# KiCad board first_keyboard.kicad_pcb (continued)
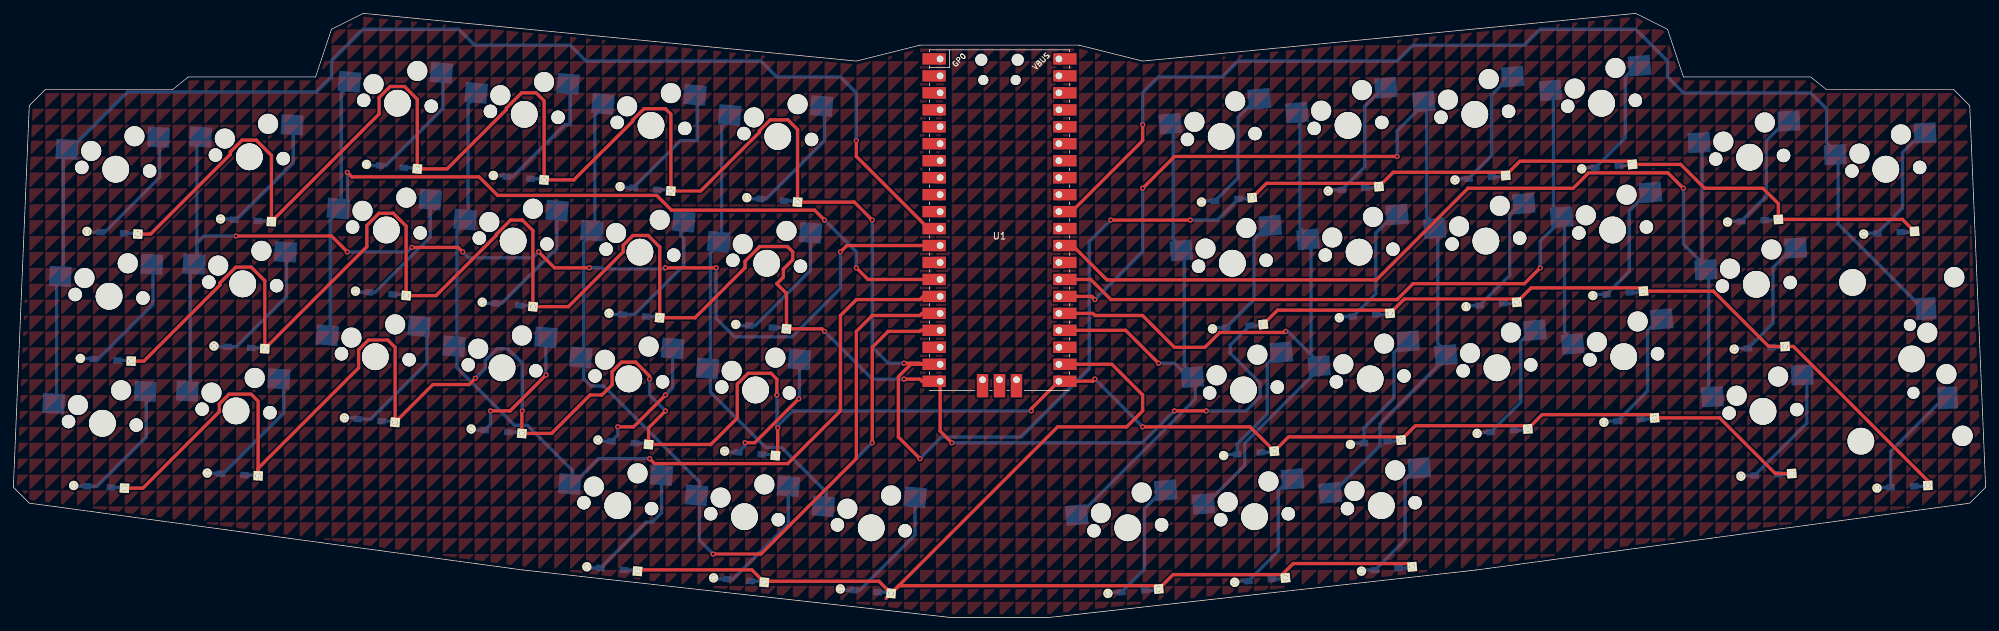
[diagram p0: board, top side]
## Copper pours and planes (outline as drawn; the poured copper is in the pictures) (continued)
(no net) on Top, Bottom: 285.75,150.02 285.75,147.64 288.13,150.02
(no net) on Top, Bottom: 280.99,26.19 280.99,23.81 283.37,26.19
(no net) on Top, Bottom: 52.39,-23.81 52.39,-26.19 54.77,-23.81
(no net) on Top, Bottom: 119.06,138.11 119.06,135.73 121.44,138.11
(no net) on Top, Bottom: 126.21,-16.67 126.21,-19.05 128.59,-16.67
(no net) on Top, Bottom: 190.5,130.97 190.5,128.59 192.88,130.97
(no net) on Top, Bottom: 223.84,45.24 223.84,42.86 226.22,45.24
(no net) on Top, Bottom: 214.31,116.68 214.31,114.3 216.69,116.68
(no net) on Top, Bottom: 202.41,130.97 202.41,128.59 204.79,130.97
(no net) on Top, Bottom: 28.58,19.05 28.58,16.67 30.96,19.05
(no net) on Top, Bottom: 30.96,21.43 30.96,19.05 33.34,21.43
(no net) on Top, Bottom: 269.08,-38.1 269.08,-40.48 271.46,-38.1
(no net) on Top, Bottom: 107.16,30.96 107.16,28.57 109.54,30.96
(no net) on Top, Bottom: 16.67,111.92 16.67,109.54 19.05,111.92
(no net) on Top, Bottom: 290.51,45.24 290.51,42.86 292.89,45.24
(no net) on Top, Bottom: 273.84,85.72 273.84,83.34 276.22,85.72
(no net) on Top, Bottom: 242.89,59.53 242.89,57.15 245.27,59.53
(no net) on Top, Bottom: 9.53,80.96 9.53,78.58 11.91,80.96
(no net) on Top, Bottom: 135.73,30.96 135.73,28.57 138.11,30.96
(no net) on Top, Bottom: 116.68,-21.43 116.68,-23.81 119.06,-21.43
(no net) on Top, Bottom: 69.06,33.34 69.06,30.96 71.44,33.34
(no net) on Top, Bottom: 176.21,114.3 176.21,111.92 178.59,114.3
(no net) on Top, Bottom: 135.73,83.34 135.73,80.96 138.11,83.34
(no net) on Top, Bottom: 152.4,97.63 152.4,95.25 154.78,97.63
(no net) on Top, Bottom: 78.58,80.96 78.58,78.58 80.96,80.96
(no net) on Top, Bottom: 211.93,40.48 211.93,38.1 214.31,40.48
(no net) on Top, Bottom: 64.29,-7.14 64.29,-9.53 66.67,-7.14
(no net) on Top, Bottom: 280.99,145.26 280.99,142.88 283.37,145.26
(no net) on Top, Bottom: 128.59,-30.96 128.59,-33.34 130.97,-30.96
(no net) on Top, Bottom: 119.06,107.16 119.06,104.78 121.44,107.16
(no net) on Top, Bottom: 83.34,35.72 83.34,33.34 85.73,35.72
(no net) on Top, Bottom: 133.35,109.54 133.35,107.16 135.73,109.54
(no net) on Top, Bottom: 35.72,-33.34 35.72,-35.72 38.1,-33.34
(no net) on Top, Bottom: 102.39,-38.1 102.39,-40.48 104.77,-38.1
(no net) on Top, Bottom: 130.97,50.01 130.97,47.62 133.35,50.01
(no net) on Top, Bottom: 57.15,104.78 57.15,102.39 59.53,104.78
(no net) on Top, Bottom: 50.01,45.24 50.01,42.86 52.39,45.24
(no net) on Top, Bottom: 97.63,-4.76 97.63,-7.14 100.01,-4.76
(no net) on Top, Bottom: 230.98,4.76 230.98,2.38 233.36,4.76
(no net) on Top, Bottom: 266.7,64.29 266.7,61.91 269.08,64.29
(no net) on Top, Bottom: 50.01,11.91 50.01,9.53 52.39,11.91
(no net) on Top, Bottom: 111.92,-7.14 111.92,-9.53 114.3,-7.14
(no net) on Top, Bottom: 123.83,126.21 123.83,123.83 126.21,126.21
(no net) on Top, Bottom: 202.41,100.01 202.41,97.63 204.79,100.01
(no net) on Top, Bottom: 2.38,23.81 2.38,21.43 4.76,23.81
(no net) on Top, Bottom: 150.02,26.19 150.02,23.81 152.4,26.19
(no net) on Top, Bottom: 128.59,128.59 128.59,126.21 130.97,128.59
(no net) on Top, Bottom: 211.93,-11.91 211.93,-14.29 214.31,-11.91
(no net) on Top, Bottom: 150.02,-14.29 150.02,-16.67 152.4,-14.29
(no net) on Top, Bottom: 92.87,59.53 92.87,57.15 95.25,59.53
(no net) on Top, Bottom: 154.78,54.77 154.78,52.39 157.16,54.77
(no net) on Top, Bottom: 304.8,30.96 304.8,28.57 307.18,30.96
(no net) on Top, Bottom: 273.84,61.91 273.84,59.53 276.22,61.91
(no net) on Top, Bottom: 304.8,-4.76 304.8,-7.14 307.18,-4.76
(no net) on Top, Bottom: 0,-2.38 0,-4.76 2.38,-2.38
(no net) on Top, Bottom: 38.1,47.62 38.1,45.24 40.48,47.62
(no net) on Top, Bottom: 190.5,35.72 190.5,33.34 192.88,35.72
(no net) on Top, Bottom: 142.88,-21.43 142.88,-23.81 145.26,-21.43
(no net) on Top, Bottom: 73.82,64.29 73.82,61.91 76.2,64.29
(no net) on Top, Bottom: 214.31,145.26 214.31,142.88 216.69,145.26
(no net) on Top, Bottom: 209.55,30.96 209.55,28.57 211.93,30.96
(no net) on Top, Bottom: 228.6,100.01 228.6,97.63 230.98,100.01
(no net) on Top, Bottom: 61.91,-2.38 61.91,-4.76 64.29,-2.38
(no net) on Top, Bottom: 214.31,97.63 214.31,95.25 216.69,97.63
(no net) on Top, Bottom: 107.16,57.15 107.16,54.77 109.54,57.15
(no net) on Top, Bottom: 192.88,-4.76 192.88,-7.14 195.26,-4.76
(no net) on Top, Bottom: 47.62,78.58 47.62,76.2 50.01,78.58
(no net) on Top, Bottom: 50.01,66.68 50.01,64.29 52.39,66.68
(no net) on Top, Bottom: 283.37,107.16 283.37,104.78 285.75,107.16
(no net) on Top, Bottom: 211.93,138.11 211.93,135.73 214.31,138.11
(no net) on Top, Bottom: 280.99,50.01 280.99,47.62 283.37,50.01
(no net) on Top, Bottom: 250.03,147.64 250.03,145.26 252.41,147.64
(no net) on Top, Bottom: 190.5,73.82 190.5,71.44 192.88,73.82
(no net) on Top, Bottom: 178.59,38.1 178.59,35.72 180.98,38.1
(no net) on Top, Bottom: 192.88,64.29 192.88,61.91 195.26,64.29
(no net) on Top, Bottom: 28.58,54.77 28.58,52.39 30.96,54.77
(no net) on Top, Bottom: 42.86,133.35 42.86,130.97 45.24,133.35
(no net) on Top, Bottom: 166.69,92.87 166.69,90.49 169.07,92.87
(no net) on Top, Bottom: 0,-19.05 0,-21.43 2.38,-19.05
(no net) on Top, Bottom: 157.16,133.35 157.16,130.97 159.54,133.35
(no net) on Top, Bottom: 42.86,88.11 42.86,85.72 45.24,88.11
(no net) on Top, Bottom: 50.01,50.01 50.01,47.62 52.39,50.01
(no net) on Top, Bottom: 119.06,26.19 119.06,23.81 121.44,26.19
(no net) on Top, Bottom: 219.07,88.11 219.07,85.72 221.46,88.11
(no net) on Top, Bottom: 90.49,66.68 90.49,64.29 92.87,66.68
(no net) on Top, Bottom: 126.21,14.29 126.21,11.91 128.59,14.29
(no net) on Top, Bottom: 64.29,145.26 64.29,142.88 66.67,145.26
(no net) on Top, Bottom: 23.81,76.2 23.81,73.82 26.19,76.2
(no net) on Top, Bottom: 166.69,-28.57 166.69,-30.96 169.07,-28.57
(no net) on Top, Bottom: 207.17,100.01 207.17,97.63 209.55,100.01
(no net) on Top, Bottom: 157.16,95.25 157.16,92.87 159.54,95.25
(no net) on Top, Bottom: 233.36,9.53 233.36,7.14 235.74,9.53
(no net) on Top, Bottom: 52.39,-7.14 52.39,-9.53 54.77,-7.14
(no net) on Top, Bottom: 242.89,-9.53 242.89,-11.91 245.27,-9.53
(no net) on Top, Bottom: 290.51,92.87 290.51,90.49 292.89,92.87
(no net) on Top, Bottom: 71.44,-11.91 71.44,-14.29 73.82,-11.91
(no net) on Top, Bottom: 71.44,145.26 71.44,142.88 73.82,145.26
(no net) on Top, Bottom: 142.88,-28.57 142.88,-30.96 145.26,-28.57
(no net) on Top, Bottom: 69.06,78.58 69.06,76.2 71.44,78.58
(no net) on Top, Bottom: 47.62,-4.76 47.62,-7.14 50.01,-4.76
(no net) on Top, Bottom: 273.84,116.68 273.84,114.3 276.22,116.68
(no net) on Top, Bottom: 133.35,69.06 133.35,66.68 135.73,69.06
(no net) on Top, Bottom: 219.07,-35.72 219.07,-38.1 221.46,-35.72
(no net) on Top, Bottom: 133.35,140.49 133.35,138.11 135.73,140.49
(no net) on Top, Bottom: 11.91,109.54 11.91,107.16 14.29,109.54
(no net) on Top, Bottom: 145.26,-21.43 145.26,-23.81 147.64,-21.43
(no net) on Top, Bottom: 95.25,23.81 95.25,21.43 97.63,23.81
(no net) on Top, Bottom: 180.98,71.44 180.98,69.06 183.36,71.44
(no net) on Top, Bottom: 47.62,-38.1 47.62,-40.48 50.01,-38.1
(no net) on Top, Bottom: 102.39,0 102.39,-2.38 104.77,0
(no net) on Top, Bottom: 157.16,123.83 157.16,121.44 159.54,123.83
(no net) on Top, Bottom: 300.04,111.92 300.04,109.54 302.42,111.92
(no net) on Top, Bottom: 64.29,114.3 64.29,111.92 66.67,114.3
(no net) on Top, Bottom: 21.43,-14.29 21.43,-16.67 23.81,-14.29
(no net) on Top, Bottom: 116.68,126.21 116.68,123.83 119.06,126.21
(no net) on Top, Bottom: 61.91,9.53 61.91,7.14 64.29,9.53
(no net) on Top, Bottom: 61.91,35.72 61.91,33.34 64.29,35.72
(no net) on Top, Bottom: 28.58,100.01 28.58,97.63 30.96,100.01
(no net) on Top, Bottom: 161.93,38.1 161.93,35.72 164.31,38.1
(no net) on Top, Bottom: 226.22,150.02 226.22,147.64 228.6,150.02
(no net) on Top, Bottom: 190.5,23.81 190.5,21.43 192.88,23.81
(no net) on Top, Bottom: 114.3,123.83 114.3,121.44 116.68,123.83
(no net) on Top, Bottom: 2.38,73.82 2.38,71.44 4.76,73.82
(no net) on Top, Bottom: 97.63,30.96 97.63,28.57 100.01,30.96
(no net) on Top, Bottom: 14.29,-26.19 14.29,-28.57 16.67,-26.19
(no net) on Top, Bottom: 107.16,85.72 107.16,83.34 109.54,85.72
(no net) on Top, Bottom: 35.72,0 35.72,-2.38 38.1,0
(no net) on Top, Bottom: 161.93,35.72 161.93,33.34 164.31,35.72
(no net) on Top, Bottom: 261.94,35.72 261.94,33.34 264.32,35.72
(no net) on Top, Bottom: 97.63,42.86 97.63,40.48 100.01,42.86
(no net) on Top, Bottom: 150.02,40.48 150.02,38.1 152.4,40.48
(no net) on Top, Bottom: 71.44,23.81 71.44,21.43 73.82,23.81
(no net) on Top, Bottom: 107.16,145.26 107.16,142.88 109.54,145.26
(no net) on Top, Bottom: 207.17,0 207.17,-2.38 209.55,0
(no net) on Top, Bottom: 176.21,7.14 176.21,4.76 178.59,7.14
(no net) on Top, Bottom: 219.07,4.76 219.07,2.38 221.46,4.76
(no net) on Top, Bottom: 80.96,47.62 80.96,45.24 83.34,47.62
(no net) on Top, Bottom: 161.93,78.58 161.93,76.2 164.31,78.58
(no net) on Top, Bottom: 271.46,78.58 271.46,76.2 273.84,78.58
(no net) on Top, Bottom: 40.48,66.68 40.48,64.29 42.86,66.68
(no net) on Top, Bottom: 152.4,150.02 152.4,147.64 154.78,150.02
(no net) on Top, Bottom: 242.89,52.39 242.89,50.01 245.27,52.39
(no net) on Top, Bottom: 100.01,76.2 100.01,73.82 102.39,76.2
(no net) on Top, Bottom: 61.91,38.1 61.91,35.72 64.29,38.1
(no net) on Top, Bottom: 164.31,126.21 164.31,123.83 166.69,126.21
(no net) on Top, Bottom: 178.59,123.83 178.59,121.44 180.98,123.83
(no net) on Top, Bottom: 61.91,95.25 61.91,92.87 64.29,95.25
(no net) on Top, Bottom: 21.43,28.57 21.43,26.19 23.81,28.57
(no net) on Top, Bottom: 40.48,4.76 40.48,2.38 42.86,4.76
(no net) on Top, Bottom: 250.03,138.11 250.03,135.73 252.41,138.11
(no net) on Top, Bottom: 88.11,133.35 88.11,130.97 90.49,133.35
(no net) on Top, Bottom: 204.79,11.91 204.79,9.53 207.17,11.91
(no net) on Top, Bottom: 185.74,97.63 185.74,95.25 188.12,97.63
(no net) on Top, Bottom: 35.72,30.96 35.72,28.57 38.1,30.96
(no net) on Top, Bottom: 278.61,-4.76 278.61,-7.14 280.99,-4.76
(no net) on Top, Bottom: 90.49,30.96 90.49,28.57 92.87,30.96
(no net) on Top, Bottom: 114.3,52.39 114.3,50.01 116.68,52.39
(no net) on Top, Bottom: 140.49,135.73 140.49,133.35 142.88,135.73
(no net) on Top, Bottom: 221.46,138.11 221.46,135.73 223.84,138.11
(no net) on Top, Bottom: 266.7,11.91 266.7,9.53 269.08,11.91
(no net) on Top, Bottom: 157.16,145.26 157.16,142.88 159.54,145.26
(no net) on Top, Bottom: 264.32,78.58 264.32,76.2 266.7,78.58
(no net) on Top, Bottom: 76.2,61.91 76.2,59.53 78.58,61.91
(no net) on Top, Bottom: 147.64,111.92 147.64,109.54 150.02,111.92
(no net) on Top, Bottom: 188.12,126.21 188.12,123.83 190.5,126.21
(no net) on Top, Bottom: 230.98,33.34 230.98,30.96 233.36,33.34
(no net) on Top, Bottom: 80.96,21.43 80.96,19.05 83.34,21.43
(no net) on Top, Bottom: 140.49,69.06 140.49,66.68 142.88,69.06
(no net) on Top, Bottom: 92.87,76.2 92.87,73.82 95.25,76.2
(no net) on Top, Bottom: 97.63,33.34 97.63,30.96 100.01,33.34
(no net) on Top, Bottom: 126.21,35.72 126.21,33.34 128.59,35.72
(no net) on Top, Bottom: 204.79,14.29 204.79,11.91 207.17,14.29
(no net) on Top, Bottom: 38.1,-35.72 38.1,-38.1 40.48,-35.72
(no net) on Top, Bottom: 114.3,150.02 114.3,147.64 116.68,150.02
(no net) on Top, Bottom: 152.4,147.64 152.4,145.26 154.78,147.64
(no net) on Top, Bottom: 119.06,28.57 119.06,26.19 121.44,28.57
(no net) on Top, Bottom: 57.15,130.97 57.15,128.59 59.53,130.97
(no net) on Top, Bottom: 271.46,-30.96 271.46,-33.34 273.84,-30.96
(no net) on Top, Bottom: 238.12,26.19 238.12,23.81 240.51,26.19
(no net) on Top, Bottom: 59.53,76.2 59.53,73.82 61.91,76.2
(no net) on Top, Bottom: 166.69,102.39 166.69,100.01 169.07,102.39
(no net) on Top, Bottom: 71.44,111.92 71.44,109.54 73.82,111.92
(no net) on Top, Bottom: 207.17,42.86 207.17,40.48 209.55,42.86
(no net) on Top, Bottom: 261.94,121.44 261.94,119.06 264.32,121.44
(no net) on Top, Bottom: 254.79,135.73 254.79,133.35 257.18,135.73
(no net) on Top, Bottom: 300.04,7.14 300.04,4.76 302.42,7.14
(no net) on Top, Bottom: 240.51,9.53 240.51,7.14 242.89,9.53
(no net) on Top, Bottom: 45.24,88.11 45.24,85.72 47.62,88.11
(no net) on Top, Bottom: 242.89,38.1 242.89,35.72 245.27,38.1
(no net) on Top, Bottom: 250.03,16.67 250.03,14.29 252.41,16.67
(no net) on Top, Bottom: 133.35,9.53 133.35,7.14 135.73,9.53
(no net) on Top, Bottom: 138.11,26.19 138.11,23.81 140.49,26.19
(no net) on Top, Bottom: 285.75,116.68 285.75,114.3 288.13,116.68
(no net) on Top, Bottom: 242.89,-7.14 242.89,-9.53 245.27,-7.14
(no net) on Top, Bottom: 21.43,45.24 21.43,42.86 23.81,45.24
(no net) on Top, Bottom: 242.89,11.91 242.89,9.53 245.27,11.91
(no net) on Top, Bottom: 245.27,-23.81 245.27,-26.19 247.65,-23.81
(no net) on Top, Bottom: 230.98,119.06 230.98,116.68 233.36,119.06
(no net) on Top, Bottom: 278.61,14.29 278.61,11.91 280.99,14.29
(no net) on Top, Bottom: 4.76,-19.05 4.76,-21.43 7.14,-19.05
(no net) on Top, Bottom: 195.26,145.26 195.26,142.88 197.64,145.26
(no net) on Top, Bottom: 154.78,92.87 154.78,90.49 157.16,92.87
(no net) on Top, Bottom: 28.58,102.39 28.58,100.01 30.96,102.39
(no net) on Top, Bottom: 95.25,111.92 95.25,109.54 97.63,111.92
(no net) on Top, Bottom: 180.98,14.29 180.98,11.91 183.36,14.29
(no net) on Top, Bottom: 173.83,59.53 173.83,57.15 176.21,59.53
(no net) on Top, Bottom: 200.02,-4.76 200.02,-7.14 202.41,-4.76
(no net) on Top, Bottom: 7.14,21.43 7.14,19.05 9.53,21.43
(no net) on Top, Bottom: 47.62,-19.05 47.62,-21.43 50.01,-19.05
(no net) on Top, Bottom: 78.58,85.72 78.58,83.34 80.96,85.72
(no net) on Top, Bottom: 119.06,90.49 119.06,88.11 121.44,90.49
(no net) on Top, Bottom: 109.54,-38.1 109.54,-40.48 111.92,-38.1
(no net) on Top, Bottom: 266.7,-2.38 266.7,-4.76 269.08,-2.38
(no net) on Top, Bottom: 285.75,21.43 285.75,19.05 288.13,21.43
(no net) on Top, Bottom: 28.58,-30.96 28.58,-33.34 30.96,-30.96
(no net) on Top, Bottom: 242.89,50.01 242.89,47.62 245.27,50.01
(no net) on Top, Bottom: 216.69,38.1 216.69,35.72 219.07,38.1
(no net) on Top, Bottom: 78.58,-30.96 78.58,-33.34 80.96,-30.96
(no net) on Top, Bottom: 40.48,92.87 40.48,90.49 42.86,92.87
(no net) on Top, Bottom: 85.73,138.11 85.73,135.73 88.11,138.11
(no net) on Top, Bottom: 192.88,14.29 192.88,11.91 195.26,14.29
(no net) on Top, Bottom: 28.58,-16.67 28.58,-19.05 30.96,-16.67
(no net) on Top, Bottom: 154.78,47.62 154.78,45.24 157.16,47.62
(no net) on Top, Bottom: 111.92,59.53 111.92,57.15 114.3,59.53
(no net) on Top, Bottom: 16.67,26.19 16.67,23.81 19.05,26.19
(no net) on Top, Bottom: 109.54,9.53 109.54,7.14 111.92,9.53
(no net) on Top, Bottom: 247.65,80.96 247.65,78.58 250.03,80.96
(no net) on Top, Bottom: 226.22,142.88 226.22,140.49 228.6,142.88
(no net) on Top, Bottom: 252.41,35.72 252.41,33.34 254.79,35.72
(no net) on Top, Bottom: 138.11,-28.57 138.11,-30.96 140.49,-28.57
(no net) on Top, Bottom: 171.45,64.29 171.45,61.91 173.83,64.29
(no net) on Top, Bottom: 42.86,50.01 42.86,47.62 45.24,50.01
(no net) on Top, Bottom: 207.17,11.91 207.17,9.53 209.55,11.91
(no net) on Top, Bottom: 97.63,11.91 97.63,9.53 100.01,11.91
(no net) on Top, Bottom: 257.18,150.02 257.18,147.64 259.56,150.02
(no net) on Top, Bottom: 273.84,140.49 273.84,138.11 276.22,140.49
(no net) on Top, Bottom: 152.4,38.1 152.4,35.72 154.78,38.1
(no net) on Top, Bottom: 159.54,142.88 159.54,140.49 161.93,142.88
(no net) on Top, Bottom: 85.73,-21.43 85.73,-23.81 88.11,-21.43
(no net) on Top, Bottom: 219.07,30.96 219.07,28.57 221.46,30.96
(no net) on Top, Bottom: 0,85.72 0,83.34 2.38,85.72
(no net) on Top, Bottom: 264.32,133.35 264.32,130.97 266.7,133.35
(no net) on Top, Bottom: 11.91,21.43 11.91,19.05 14.29,21.43
(no net) on Top, Bottom: 69.06,76.2 69.06,73.82 71.44,76.2
(no net) on Top, Bottom: 42.86,-30.96 42.86,-33.34 45.24,-30.96
(no net) on Top, Bottom: 83.34,78.58 83.34,76.2 85.73,78.58
(no net) on Top, Bottom: 259.56,-19.05 259.56,-21.43 261.94,-19.05
(no net) on Top, Bottom: 130.97,147.64 130.97,145.26 133.35,147.64
(no net) on Top, Bottom: 116.68,104.78 116.68,102.39 119.06,104.78
(no net) on Top, Bottom: 157.16,126.21 157.16,123.83 159.54,126.21
(no net) on Top, Bottom: 302.42,109.54 302.42,107.16 304.8,109.54
(no net) on Top, Bottom: 78.58,121.44 78.58,119.06 80.96,121.44
(no net) on Top, Bottom: 304.8,4.76 304.8,2.38 307.18,4.76
(no net) on Top, Bottom: 21.43,52.39 21.43,50.01 23.81,52.39
(no net) on Top, Bottom: 297.66,88.11 297.66,85.72 300.04,88.11
(no net) on Top, Bottom: 195.26,0 195.26,-2.38 197.64,0
(no net) on Top, Bottom: 176.21,-21.43 176.21,-23.81 178.59,-21.43
(no net) on Top, Bottom: 302.42,76.2 302.42,73.82 304.8,76.2
(no net) on Top, Bottom: 150.02,19.05 150.02,16.67 152.4,19.05
(no net) on Top, Bottom: 147.64,142.88 147.64,140.49 150.02,142.88
(no net) on Top, Bottom: 278.61,-23.81 278.61,-26.19 280.99,-23.81
(no net) on Top, Bottom: 178.59,83.34 178.59,80.96 180.98,83.34
(no net) on Top, Bottom: 283.37,-33.34 283.37,-35.72 285.75,-33.34
(no net) on Top, Bottom: 245.27,-7.14 245.27,-9.53 247.65,-7.14
(no net) on Top, Bottom: 16.67,-21.43 16.67,-23.81 19.05,-21.43
(no net) on Top, Bottom: 230.98,-28.57 230.98,-30.96 233.36,-28.57
(no net) on Top, Bottom: 221.46,30.96 221.46,28.57 223.84,30.96
(no net) on Top, Bottom: 228.6,109.54 228.6,107.16 230.98,109.54
(no net) on Top, Bottom: 207.17,16.67 207.17,14.29 209.55,16.67
(no net) on Top, Bottom: 119.06,76.2 119.06,73.82 121.44,76.2
(no net) on Top, Bottom: 76.2,11.91 76.2,9.53 78.58,11.91
(no net) on Top, Bottom: 252.41,-7.14 252.41,-9.53 254.79,-7.14
(no net) on Top, Bottom: 45.24,9.53 45.24,7.14 47.62,9.53
(no net) on Top, Bottom: 207.17,-21.43 207.17,-23.81 209.55,-21.43
(no net) on Top, Bottom: 235.74,92.87 235.74,90.49 238.12,92.87
(no net) on Top, Bottom: 202.41,73.82 202.41,71.44 204.79,73.82
(no net) on Top, Bottom: 69.06,97.63 69.06,95.25 71.44,97.63
(no net) on Top, Bottom: 45.24,38.1 45.24,35.72 47.62,38.1
(no net) on Top, Bottom: 178.59,100.01 178.59,97.63 180.98,100.01
(no net) on Top, Bottom: 80.96,104.78 80.96,102.39 83.34,104.78
(no net) on Top, Bottom: 266.7,90.49 266.7,88.11 269.08,90.49
(no net) on Top, Bottom: 250.03,42.86 250.03,40.48 252.41,42.86
(no net) on Top, Bottom: 80.96,26.19 80.96,23.81 83.34,26.19
(no net) on Top, Bottom: 21.43,73.82 21.43,71.44 23.81,73.82
(no net) on Top, Bottom: 145.26,2.38 145.26,0 147.64,2.38
(no net) on Top, Bottom: 292.89,-2.38 292.89,-4.76 295.27,-2.38
(no net) on Top, Bottom: 219.07,104.78 219.07,102.39 221.46,104.78
(no net) on Top, Bottom: 152.4,64.29 152.4,61.91 154.78,64.29
(no net) on Top, Bottom: 76.2,107.16 76.2,104.78 78.58,107.16
(no net) on Top, Bottom: 280.99,92.87 280.99,90.49 283.37,92.87
(no net) on Top, Bottom: 76.2,-38.1 76.2,-40.48 78.58,-38.1
(no net) on Top, Bottom: 126.21,-2.38 126.21,-4.76 128.59,-2.38
(no net) on Top, Bottom: 295.27,107.16 295.27,104.78 297.66,107.16
(no net) on Top, Bottom: 211.93,-4.76 211.93,-7.14 214.31,-4.76
(no net) on Top, Bottom: 135.73,54.77 135.73,52.39 138.11,54.77
(no net) on Top, Bottom: 54.77,-9.53 54.77,-11.91 57.15,-9.53
(no net) on Top, Bottom: 285.75,-33.34 285.75,-35.72 288.13,-33.34
(no net) on Top, Bottom: 107.16,61.91 107.16,59.53 109.54,61.91
(no net) on Top, Bottom: 61.91,7.14 61.91,4.76 64.29,7.14
(no net) on Top, Bottom: 59.53,23.81 59.53,21.43 61.91,23.81
(no net) on Top, Bottom: 288.13,107.16 288.13,104.78 290.51,107.16
(no net) on Top, Bottom: 171.45,114.3 171.45,111.92 173.83,114.3
(no net) on Top, Bottom: 240.51,85.72 240.51,83.34 242.89,85.72
(no net) on Top, Bottom: 283.37,11.91 283.37,9.53 285.75,11.91
(no net) on Top, Bottom: 190.5,133.35 190.5,130.97 192.88,133.35
(no net) on Top, Bottom: 69.06,35.72 69.06,33.34 71.44,35.72
(no net) on Top, Bottom: 157.16,-35.72 157.16,-38.1 159.54,-35.72
(no net) on Top, Bottom: 45.24,90.49 45.24,88.11 47.62,90.49
(no net) on Top, Bottom: 278.61,92.87 278.61,90.49 280.99,92.87
(no net) on Top, Bottom: 190.5,123.83 190.5,121.44 192.88,123.83
(no net) on Top, Bottom: 219.07,90.49 219.07,88.11 221.46,90.49
(no net) on Top, Bottom: 26.19,21.43 26.19,19.05 28.58,21.43
(no net) on Top, Bottom: 107.16,7.14 107.16,4.76 109.54,7.14
(no net) on Top, Bottom: 100.01,88.11 100.01,85.72 102.39,88.11
(no net) on Top, Bottom: 292.89,28.57 292.89,26.19 295.27,28.57
(no net) on Top, Bottom: 2.38,-7.14 2.38,-9.53 4.76,-7.14
(no net) on Top, Bottom: 257.18,111.92 257.18,109.54 259.56,111.92
(no net) on Top, Bottom: 238.12,-35.72 238.12,-38.1 240.51,-35.72
(no net) on Top, Bottom: 264.32,130.97 264.32,128.59 266.7,130.97
(no net) on Top, Bottom: 130.97,80.96 130.97,78.58 133.35,80.96
(no net) on Top, Bottom: 169.07,88.11 169.07,85.72 171.45,88.11
(no net) on Top, Bottom: 30.96,-38.1 30.96,-40.48 33.34,-38.1
(no net) on Top, Bottom: 107.16,147.64 107.16,145.26 109.54,147.64
(no net) on Top, Bottom: 219.07,-30.96 219.07,-33.34 221.46,-30.96
(no net) on Top, Bottom: 176.21,-19.05 176.21,-21.43 178.59,-19.05
(no net) on Top, Bottom: 50.01,111.92 50.01,109.54 52.39,111.92
(no net) on Top, Bottom: 197.64,30.96 197.64,28.57 200.02,30.96
(no net) on Top, Bottom: 226.22,52.39 226.22,50.01 228.6,52.39
(no net) on Top, Bottom: 140.49,-30.96 140.49,-33.34 142.88,-30.96
(no net) on Top, Bottom: 35.72,78.58 35.72,76.2 38.1,78.58
(no net) on Top, Bottom: 250.03,11.91 250.03,9.53 252.41,11.91
(no net) on Top, Bottom: 14.29,88.11 14.29,85.72 16.67,88.11
(no net) on Top, Bottom: 233.36,19.05 233.36,16.67 235.74,19.05
(no net) on Top, Bottom: 102.39,21.43 102.39,19.05 104.77,21.43
(no net) on Top, Bottom: 292.89,145.26 292.89,142.88 295.27,145.26
(no net) on Top, Bottom: 171.45,42.86 171.45,40.48 173.83,42.86
(no net) on Top, Bottom: 276.22,57.15 276.22,54.77 278.61,57.15
(no net) on Top, Bottom: 240.51,19.05 240.51,16.67 242.89,19.05
(no net) on Top, Bottom: 166.69,-38.1 166.69,-40.48 169.07,-38.1
(no net) on Top, Bottom: 230.98,100.01 230.98,97.63 233.36,100.01
(no net) on Top, Bottom: 285.75,-2.38 285.75,-4.76 288.13,-2.38
(no net) on Top, Bottom: 16.67,114.3 16.67,111.92 19.05,114.3
(no net) on Top, Bottom: 171.45,109.54 171.45,107.16 173.83,109.54
(no net) on Top, Bottom: 130.97,-33.34 130.97,-35.72 133.35,-33.34
(no net) on Top, Bottom: 69.06,52.39 69.06,50.01 71.44,52.39
(no net) on Top, Bottom: 102.39,109.54 102.39,107.16 104.77,109.54
(no net) on Top, Bottom: 83.34,69.06 83.34,66.68 85.73,69.06
(no net) on Top, Bottom: 42.86,95.25 42.86,92.87 45.24,95.25
(no net) on Top, Bottom: 90.49,128.59 90.49,126.21 92.87,128.59
(no net) on Top, Bottom: 178.59,0 178.59,-2.38 180.98,0
(no net) on Top, Bottom: 69.06,69.06 69.06,66.68 71.44,69.06
(no net) on Top, Bottom: 173.83,52.39 173.83,50.01 176.21,52.39
(no net) on Top, Bottom: 202.41,-26.19 202.41,-28.57 204.79,-26.19
(no net) on Top, Bottom: 111.92,-35.72 111.92,-38.1 114.3,-35.72
(no net) on Top, Bottom: 133.35,130.97 133.35,128.59 135.73,130.97
(no net) on Top, Bottom: 221.46,121.44 221.46,119.06 223.84,121.44
(no net) on Top, Bottom: 288.13,42.86 288.13,40.48 290.51,42.86
(no net) on Top, Bottom: 100.01,61.91 100.01,59.53 102.39,61.91
(no net) on Top, Bottom: 247.65,123.83 247.65,121.44 250.03,123.83
(no net) on Top, Bottom: 123.83,35.72 123.83,33.34 126.21,35.72
(no net) on Top, Bottom: 214.31,50.01 214.31,47.62 216.69,50.01
(no net) on Top, Bottom: 302.42,97.63 302.42,95.25 304.8,97.63
(no net) on Top, Bottom: 238.12,71.44 238.12,69.06 240.51,71.44
(no net) on Top, Bottom: 226.22,45.24 226.22,42.86 228.6,45.24
(no net) on Top, Bottom: 16.67,33.34 16.67,30.96 19.05,33.34
(no net) on Top, Bottom: 288.13,33.34 288.13,30.96 290.51,33.34
(no net) on Top, Bottom: 119.06,142.88 119.06,140.49 121.44,142.88
(no net) on Top, Bottom: 50.01,47.62 50.01,45.24 52.39,47.62
(no net) on Top, Bottom: 195.26,128.59 195.26,126.21 197.64,128.59
(no net) on Top, Bottom: 257.18,76.2 257.18,73.82 259.56,76.2
(no net) on Top, Bottom: 154.78,147.64 154.78,145.26 157.16,147.64
(no net) on Top, Bottom: 188.12,83.34 188.12,80.96 190.5,83.34
(no net) on Top, Bottom: 207.17,9.53 207.17,7.14 209.55,9.53
(no net) on Top, Bottom: 90.49,16.67 90.49,14.29 92.87,16.67
(no net) on Top, Bottom: 295.27,97.63 295.27,95.25 297.66,97.63
(no net) on Top, Bottom: 261.94,-9.53 261.94,-11.91 264.32,-9.53
(no net) on Top, Bottom: 211.93,33.34 211.93,30.96 214.31,33.34
(no net) on Top, Bottom: 204.79,90.49 204.79,88.11 207.17,90.49
(no net) on Top, Bottom: 278.61,78.58 278.61,76.2 280.99,78.58
(no net) on Top, Bottom: 66.67,121.44 66.67,119.06 69.06,121.44
(no net) on Top, Bottom: 250.03,4.76 250.03,2.38 252.41,4.76
(no net) on Top, Bottom: 45.24,23.81 45.24,21.43 47.62,23.81
(no net) on Top, Bottom: 164.31,-19.05 164.31,-21.43 166.69,-19.05
(no net) on Top, Bottom: 145.26,100.01 145.26,97.63 147.64,100.01
(no net) on Top, Bottom: 30.96,45.24 30.96,42.86 33.34,45.24
(no net) on Top, Bottom: 295.27,-9.53 295.27,-11.91 297.66,-9.53
(no net) on Top, Bottom: 164.31,76.2 164.31,73.82 166.69,76.2
(no net) on Top, Bottom: 14.29,-35.72 14.29,-38.1 16.67,-35.72
(no net) on Top, Bottom: 40.48,-21.43 40.48,-23.81 42.86,-21.43
(no net) on Top, Bottom: 261.94,59.53 261.94,57.15 264.32,59.53
(no net) on Top, Bottom: 161.93,64.29 161.93,61.91 164.31,64.29
(no net) on Top, Bottom: 304.8,-2.38 304.8,-4.76 307.18,-2.38
(no net) on Top, Bottom: 238.12,97.63 238.12,95.25 240.51,97.63
